# Altium PCB LimeSDR-Micro_M.2_2280_1v0.PcbDoc (part 5 of 7) (continued)
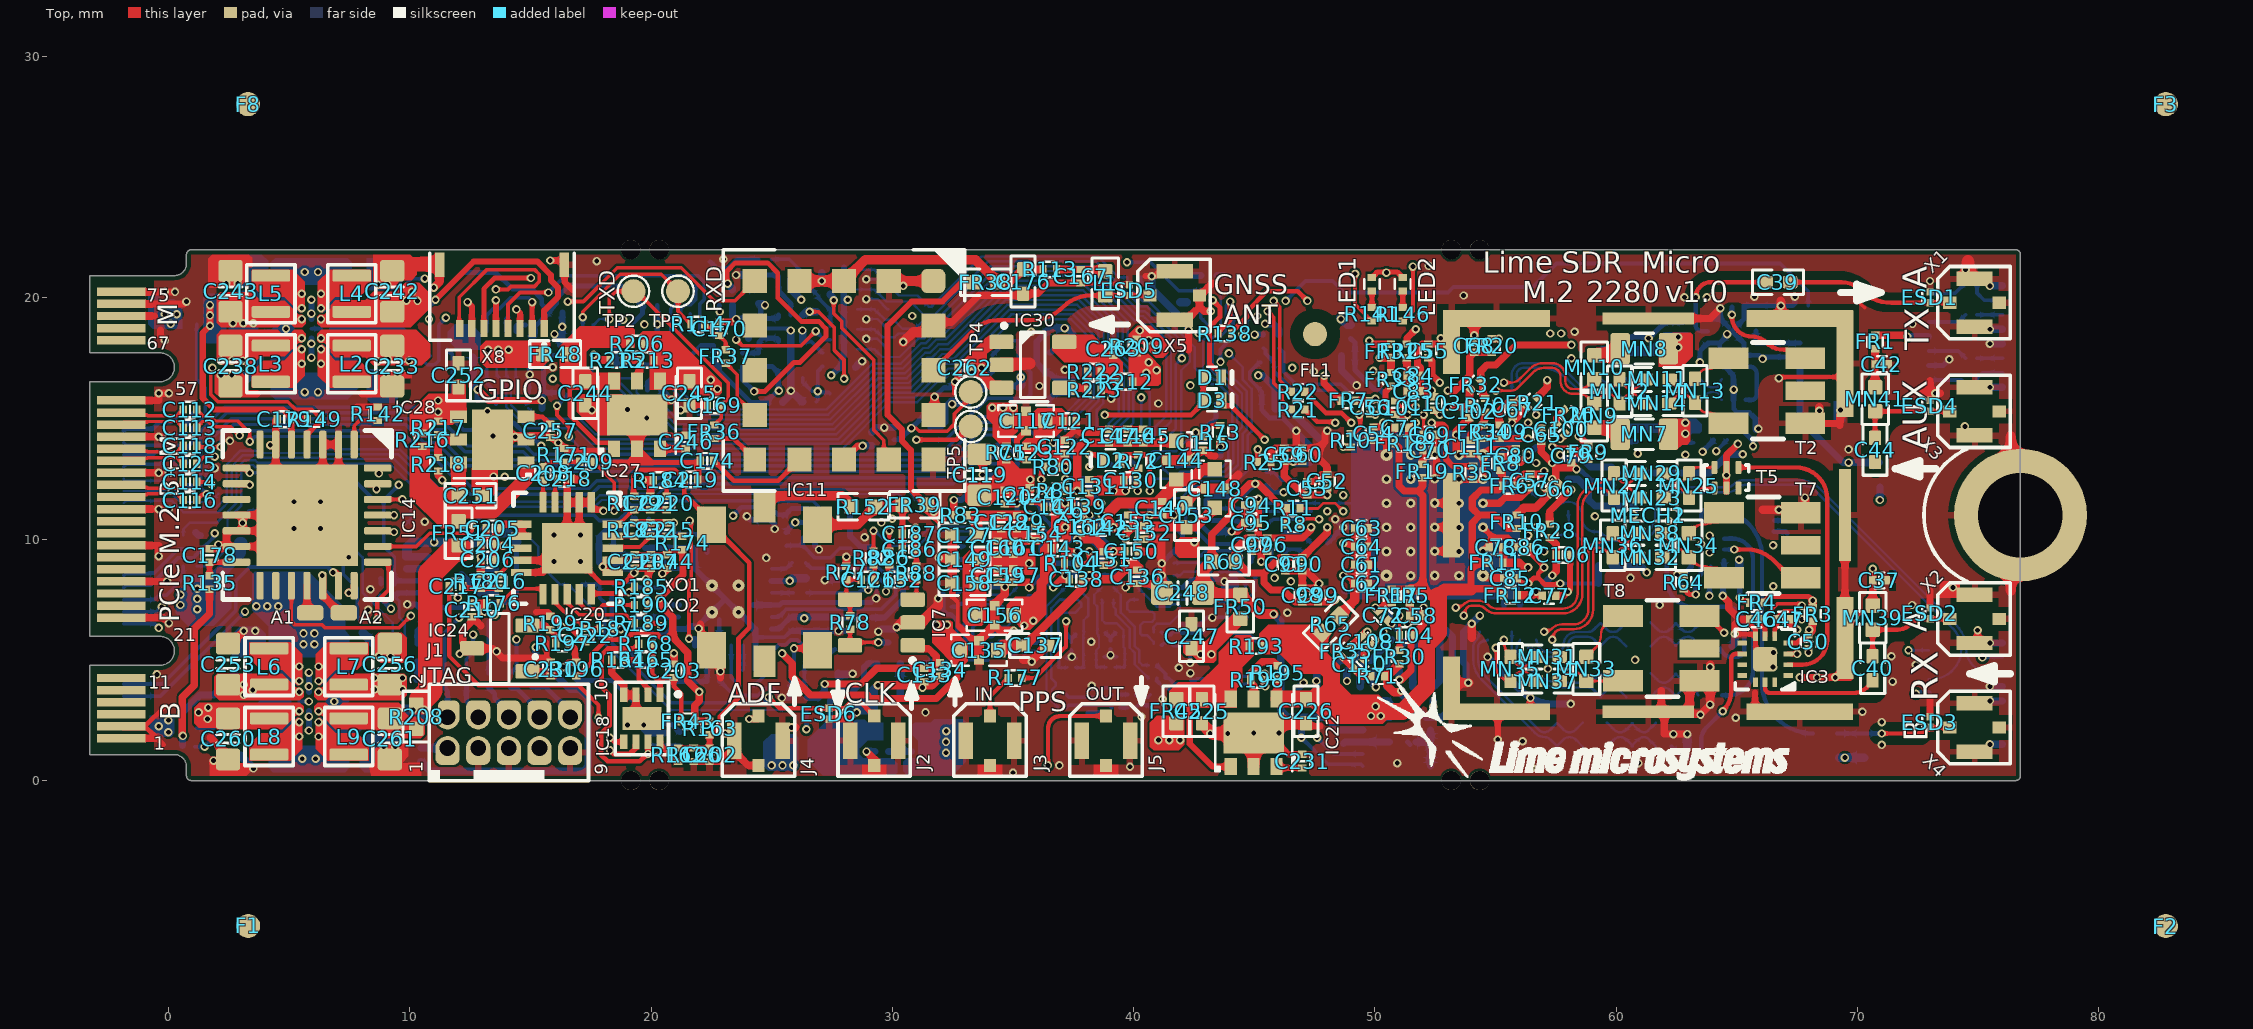
[diagram p0: Top view]
## Nets (pads, with @x,y where several pads share a name; then routed paths per layer and width w, separated by ;. In a path a pad name is that pad's centre, name@x,y a point inside that pad or via, vN(x,y) a via of type N, cw(c..) or ccw(c..) an arc to the next point about the centre after c; other vN are vias at no path point) (continued)
NetC214_2: C214.2 IC19.1 IC19.5 R170.1 R173.1 | length 3.8
  Bottom w0.2: R173.1@23.93,20.325 24.445,20.325 R170.1@24.45,20.33 24.455,20.33 24.505,20.38 C214.2@24.505,20.95 25.239,20.95 25.289,20.9 IC19.1@25.289,20.79 25.289,20.286 25.789,19.786 IC19.5@25.789,19.29
NetC216_1: C216.1 IC20.8 | length 1.7
  Top w0.15: C216.1@13.7,8.53 13.725,8.53 13.8,8.605 13.8,8.63 14,8.83 14,9.325 14.3,9.625 IC20.8@14.625,9.625
NetC216_2: C216.2 C217.1 R180.2 | length 1.5
  Top w0.2: C217.1@12.2,7.97 R180.2@12.925,7.97 ; R180.2@12.975,7.97 C216.2@13.7,7.97
NetC218_2: C218.2 IC20.4 | length 1
  Top w0.15: IC20.4@16.025,11.525 16.025,12.38 16.12,12.475 C218.2@16.12,12.5
NetC220_1: C220.1 R184.1 | length 0.7
  Top w0.15: C220.1@20.65,11.78 20.65,12.445 R184.1@20.655,12.45
NetC220_2: C220.2 C221.2 IC20.20 R179.2 | length 2.5
  Top w0.15: IC20.20@18.425,10.625 18.673,10.625 R179.2@19.284,11.236 ; R179.2@19.3,11.22 C221.2@19.975,11.22 C220.2@20.65,11.22
NetC222_1: C222.1 IC20.12 R187.1 | length 2.7
  Top w0.15: IC20.12@16.025,7.725 16.025,7.375 16.825,6.575 17,6.575 C222.1@17.275,6.3 ; C222.1@17.375,6.3 R187.1@17.89,6.3 R187.1@17.965,6.375
NetC224_2: C224.2 IC21.1 R182.1 R186.1 | length 2.1
  Bottom w0.2: R186.1@23.789,17.72 R182.1@24.464,17.72 24.464,18.159 24.605,18.3 C224.2@24.605,18.325 25.239,18.325 25.289,18.275 IC21.1@25.289,18.19
NetC225_2: C225.2 FR45.2 IC22.1 IC22.6 R193.1 | length 5.1
  Top w0.25: 42.325,3.4 42.325,1.525 43.275,0.575 IC22.1@44.025,0.575
  Top w0.6: C225.2@42.825,3.375 IC22.6@43.975,3.375
NetC231_2: C231.2 IC22.3 | length 1.1
  Top w0.25: IC22.3@45.925,0.525 C231.2@46.995,0.525
NetC235_2: C235.2 FR47.2 IC26.1 IC26.6 R200.1 | length 5
  Bottom w0.25: 27.425,2.375 27.425,3.325 27.825,3.725 28.375,3.725 28.825,4.175 28.825,4.7 28.975,4.85 IC26.1@29.375,4.85
  Bottom w0.6: C235.2@28.175,2.05 IC26.6@29.3,2.05
NetC240_2: C240.2 IC26.3 | length 0.9
  Bottom w0.3: IC26.3@31.275,4.85 C240.2@32.22,4.85
NetC244_2: C244.2 FR48.2 IC27.1 IC27.6 R206.1 | length 5.5
  Top w0.2: 16.632,16.55 16.632,15.143 17.775,14 18.225,14 IC27.1@18.475,13.75
  Top w0.6: 16.8,16.55 C244.2@17.275,16.55 IC27.6@18.425,16.55
NetC246_2: C246.2 IC27.3 | length 0.9
  Top w0.3: IC27.3@20.375,13.75 C246.2@21.32,13.75
NetC251_2: C251.2 FR51.2 IC28.1 IC28.6 R216.1 | length 5
  Top w0.6: C251.2@12.025,11.975 IC28.6@12.025,13.1 ; 12.1,11.1 12.15,11.15 13.461,11.15 14.825,12.514 IC28.1@14.825,13.1
NetC257_2: C257.2 IC28.3 | length 1.1
  Top w0.2: IC28.3@14.825,15.075 15.5,15.075 15.75,14.825 15.75,14.8 15.8,14.75 C257.2@15.825,14.75
NetFR36_2: FR36.2 IC11.9 | length 2.1
  Top w0.2: FR36.2@22.625,14.17 23.43,14.17 23.9,13.7 23.925,13.7 24.3,13.325 IC11.9@24.3,13.3
NetFR37_2: FR37.2 IC11.10 | length 2.6
  Top w0.15: FR37.2@23.1,17.295 23.575,16.82 23.575,15.875 IC11.10@24.3,15.15
NetIC1_AA33: IC1.AA33 R7.2 | length 1.4
  Bottom w0.15: R7.2@46.166,10.3 46.901,10.3 47.354,9.847 IC1.AA33@47.354,9.83
NetIC1_D28: IC1.D28 R23.1 | length 4.8
  Bottom w0.11: IC1.D28@49.019,15.491 49.019,15.995
  Bottom w0.15: R23.1@46.016,17.92 46.041,17.92 46.225,17.736 46.225,16.925 46.725,16.425 48.587,16.425 48.787,16.225 48.79,16.225 49.019,15.995
NetIC1_F18: IC1.F18 R35.1 | length 3.2
  Top w0.25: v1(52.349,14.825) 52.376,14.825 52.443,14.758 52.805,14.758 52.951,14.612 52.951,13.315 53.236,13.03 R35.1@54.066,13.03
NetIC1_F28: IC1.F28 R22.1 | length 2.5
  Top w0.2: R22.1@47.096,16.107 47.977,15.225 48.619,15.225 v1(49.019,14.825)
NetIC1_F30: IC1.F30 R21.1 | length 1.5
  Top w0.2: R21.1@47.096,15.375 47.096,15.35 47.146,15.3 47.171,15.3 47.604,14.867 48.271,14.867 48.313,14.825 v1(48.353,14.825)
NetIC1_P34: IC1.P34 R24.1 | length 1.8
  Bottom w0.15: R24.1@45.491,12.78 45.811,12.78 46.141,12.45 46.732,12.45 IC1.P34@47.021,12.161
NetIC1_R29: IC1.R29 R24.2 | length 3.6
  L4 w0.2: v1(46.216,11.95) 47.516,11.95 47.816,12.25 48.264,12.25 v1(48.686,11.828)
  Bottom w0.2: R24.2@45.491,12.22 45.516,12.22 45.566,12.17 45.566,12.145 45.761,11.95 v1(46.216,11.95)
NetIC1_U31: IC1.U31 R25.2 | length 7.5
  Top w0.15: v1@48.003,11.179 v1(48.02,11.162)
  Top w0.2: R25.2@45.136,13.2 45.136,13.679 45.191,13.734 v1@45.191,13.775
  L4 w0.3: v1(45.141,13.725) 44.025,12.609 44.025,11.725 44.675,11.075 45.616,11.075 45.795,11.254 47.928,11.254 v1(48.02,11.162)
NetIC1_V32: IC1.V32 R8.2 | length 0.9
  Top w0.15: R8.2@46.896,10.625 46.896,10.65 46.971,10.725 46.996,10.725 47.117,10.846 47.499,10.846 47.516,10.829 v1(47.687,10.829) v1@47.67,10.846
NetIC6_E8: IC6.E8 R104.1 | length 0.9
  Top w0.2: R104.1@37.696,9 37.721,8.975 38.016,8.975 38.167,9.126 v1(38.167,9.5)
NetIC6_K4: IC6.K4 R81.1 | length 0.4
  Top w0.2: v1(36.167,12) R81.1@36.561,12
NetIC6_M4: IC6.M4 R80.1 | length 1.1
  Top w0.2: v1(36.175,12.475) 36.175,12.788 R80.1@36.387,13
  Bottom w0.2: IC6.M4@36.167,13 36.167,12.483 v1(36.175,12.475)
NetIC6_M13: IC6.M13 R87.1 | length 2.9
  Bottom w0.1: IC6.M13@40.667,13 41.117,13.45 41.849,13.45 42.199,13.8 42.686,13.8 42.911,13.575 42.936,13.575 43.036,13.475 R87.1@43.036,13.45
NetIC6_N13: IC6.N13 R79.2 | length 2.6
  Bottom w0.1: IC6.N13@40.667,13.5 40.675,13.5 40.825,13.65 41.766,13.65 42.216,14.1 R79.2@43.036,14.1
NetIC6_R12: IC6.R12 R76.2 | length 34.7
  L6 w0.1: v1(15.45,13.875) 15.9,13.425 25.57,13.425 27.97,11.025 28.534,11.025 28.85,11.341 28.85,13.425 29.175,13.75 29.175,14.625 32.15,17.6 35.342,17.6 35.992,16.95 36.375,16.95 36.825,16.5 37.433,16.5 37.608,16.675 39.517,16.675 v1(40.317,15.875)
  Bottom w0.1: IC6.R12@40.167,14.5 40.317,14.65 v1(40.317,15.875)
  Bottom w0.18: R76.2@13.855,14.825 14.316,14.825 14.781,14.36 14.965,14.36 v1@15.417,13.908
NetIC7_5: IC7.5 R78.1 R84.2 R85.1 | length 25.1
  Top w0.15: IC7.5@28.045,5.6 IC7.5@28.245,5.6 cw(c28.37,5.6) IC7.5@28.25,5.635 ; R78.1@28.25,6.27 IC7.5@28.25,5.635 ; v1(29.425,5.725) 28.37,5.725 ccw(c28.37,5.6) IC7.5@28.25,5.635
  L6 w0.1: v1(29.425,5.725) 30.175,5.725 31.35,6.9 33.075,6.9 34.825,8.65 34.825,9.75 35.075,10 35.075,10.868 35.782,11.575 36.35,11.575 36.875,12.1 37.226,12.1 37.451,12.325 37.816,12.325 37.891,12.25 38.5,12.25 38.95,12.7 40.466,12.7 v2(42.166,11)
  Bottom w0.15: v1(29.425,5.725) v1@29.5,5.725 ; v2(42.166,11) 42.166,10.775 43.141,9.8 44.011,9.8 44.211,10 45.325,10 45.72,9.605 R84.2@45.72,9.025
  Bottom w0.25: v1@29.5,5.725 R85.1@29.85,5.725
NetIC15_13: IC15.13 R154.1 | length 0.9
  Bottom w0.15: IC15.13@25,8.775 25.595,8.775 R154.1@25.845,9.025
NetIC15_15: IC15.15 R155.1 | length 0.9
  Bottom w0.15: IC15.15@25,7.775 R155.1@25.895,7.775
NetIC15_24: IC15.24 R151.1 | length 5.5
  Top w0.15: v1(21.575,5.875) 21.575,8.275 21.675,8.375 21.675,10.7 v1(21.6,10.775)
  Bottom w0.25: v1(21.575,5.875) 21.594,5.856 21.825,5.856 IC15.24@21.825,5.6
NetIC17_4: IC17.4 R159.2 R161.1 | length 33.5
  L6 w0.1: v2(9.825,10.6) 9.825,10.2 11.075,8.95 14.15,8.95 14.775,9.575 17.73,9.575 18.68,10.525 20.475,10.525 20.775,10.225 24,10.225 24.15,10.375 24.55,10.375 25.075,10.9 25.775,10.9 v1(25.975,10.7)
  Bottom w0.1: R161.1@1.18,8.875 1.7,8.875 2.45,9.625 2.45,10.825 3.025,11.4 3.025,12.86 3.24,13.075 3.51,13.075 3.61,12.975 6.518,12.975 6.668,13.125 9.196,13.125 10.05,12.271 10.05,10.825 v2(9.825,10.6)
  Bottom w0.2: R159.2@25.6,10.28 25.625,10.28 25.675,10.33 25.675,10.4 v1(25.975,10.7) IC17.4@26.287,10.7
NetIC18_2: IC18.2 R164.2 R165.2 | length 2.2
  Top w0.2: R164.2@18.93,5 R165.2@19.495,5 19.495,4.205 19.875,3.825 IC18.2@19.875,3.55
NetIC18_8: IC18.8 R162.1 | length 1.2
  Top w0.2: IC18.8@20.38,1.595 IC18.8@20.375,1.6 20.375,1.482 21.072,0.785 R162.1@21.12,0.785
NetIC20_11: IC20.11 R176.2 | length 2.2
  Top w0.15: R176.2@13.755,7.35 14.355,7.95 15.525,7.95 IC20.11@15.525,7.725
NetIC20_13: IC20.13 R189.1 | length 3.5
  Top w0.15: IC20.13@16.525,7.725 16.525,7.375 17.025,6.875 18.97,6.875 R189.1@19.32,6.525
NetIC20_14: IC20.14 R190.1 | length 2.8
  Top w0.15: IC20.14@17.025,7.725 17.072,7.678 17.072,7.328 17.275,7.125 17.85,7.125 18,7.275 R190.1@19.32,7.275
NetIC20_19: IC20.19 R183.1 | length 0.9
  Top w0.15: IC20.19@18.425,10.125 19.295,10.125 R183.1@19.3,10.12
NetIC22_5: IC22.5 R195.2 R198.1 | length 2.6
  Top w0.3: IC22.5@44.905,3.445 IC22.5@44.975,3.375 44.975,3.925 44.85,4.05 R198.1@44.85,4.175 44.85,4.451 45.324,4.925 45.799,4.925 45.95,4.774 45.95,4.755 R195.2@45.975,4.755
NetIC24_2: IC24.2 R197.2 R199.1 | length 1.7
  Top w0.25: IC24.2@14.876,6.425 15.646,6.425 R199.1@15.826,6.245 15.851,6.245 15.876,6.22 15.876,6.195 16.04,6.031 16.04,5.699 R197.2@16.051,5.688
NetIC25_A2: IC25.A2 IC25.B2 L3.1
  other v1: 5.525,17.275 5.525,17.875
NetIC25_A4: IC25.A4 IC25.B4 L2.1
  other v1: 6.325,17.275 6.325,17.875
NetIC25_F2: IC25.F2 IC25.G2 L5.1
  other v1: 5.525,19.575 5.525,20.175
NetIC25_F4: IC25.F4 IC25.G4 L4.1
  other v1: 6.325,19.575 6.325,20.175
NetIC26_5: IC26.5 R201.2 R202.1 | length 1.8
  Bottom w0.3: R202.1@29.84,1.2 30.09,1.2 30.315,1.426 ; R201.2@30.79,1.2 30.541,1.2 30.315,1.426 ; 30.315,1.426 IC26.5@30.315,2.04 ; IC26.5@30.315,2.04 IC26.5@30.325,2.05 IC26.5@30.315,2.04
NetIC27_5: IC27.5 R213.2 R215.1 | length 1.6
  Top w0.3: R215.1@18.865,17.425 R213.2@19.565,17.425 19.525,17.385 19.525,16.65 IC27.5@19.425,16.55 ; IC27.5@19.34,16.56 IC27.5@19.35,16.55
NetIC28_5: IC28.5 R217.2 R218.1 | length 1.8
  Top w0.3: R218.1@11.175,13.39 11.175,13.91 11.39,14.125 ; R217.2@11.175,14.34 11.39,14.125 ; IC28.5@12.025,14.125 11.39,14.125
NetIC29_A2: IC29.A2 IC29.B2 L7.1
  other v1: 6.225,4.125 6.225,4.725
NetIC29_A4: IC29.A4 IC29.B4 L6.1
  other v1: 5.425,4.125 5.425,4.725
NetIC29_C5: IC29.C5 IC29.D3 IC29.D4 R219.2 | length 3.7
  L6 w0.15: v2(4.7,3.675) 5.1,3.275 v1(5.825,3.275)
  Bottom w0.15: R219.2@3.325,4.425 4.075,3.675 IC29.C5@5.025,3.675 ; IC29.D4@5.425,3.275 v1(5.825,3.275)
NetIC29_F2: IC29.F2 IC29.G2 L9.1
  other v1: 6.225,1.825 6.225,2.425
NetIC29_F4: IC29.F4 IC29.G4 L8.1
  other v1: 5.425,1.825 5.425,2.425
NetIC30_4: IC30.4 R222.2 R223.1 | length 1.7
  Top w0.3: IC30.4@37.125,16.275 38.02,16.275 38.07,16.225 R223.1@38.095,16.225 ; R223.1@38.095,16.2 R223.1@38.095,16.225 ; R222.2@38.095,16.95 R223.1@38.095,16.225
NetJ1_1: J1.1 pad.2@11.57,1.15 R90.1 | length 1.1
  Bottom w0.3: R90.1@10.48,1.35 J1.1@11.57,1.35
NetJ1_2: J1.2 pad.2@11.57,2.82 pad.2@11.62,2.82 R91.2 | length 1.3
  Bottom w0.2: R91.2@11.45,3.87 11.475,3.87 11.475,3.798 11.57,3.703 J1.2@11.57,2.62
NetJ1_4: J1.4 pad.2@12.84,2.82 R92.2 | length 1.5
  Bottom w0.2: R92.2@12.35,3.87 12.35,3.31 pad.2@12.84,2.82 J1.4@12.84,2.62
NetJ1_6: J1.6 pad.2@14.11,2.82 R93.2 | length 1.6
  Bottom w0.2: R93.2@13.25,3.87 13.525,3.595 13.525,3.405 pad.2@14.11,2.82 J1.6@14.11,2.62
NetJ1_8: J1.8 pad.2@15.38,2.82 R94.2 | length 1.9
  Bottom w0.2: R94.2@14.15,3.87 14.175,3.87 14.225,3.82 14.43,3.82 15.38,2.87 pad.2@15.38,2.82 J1.8@15.38,2.62
NetJ1_10: J1.10 pad.2@16.65,2.82 R95.1 | length 2.3
  Bottom w0.2: R95.1@15.05,3.87 15.63,3.87 16.65,2.85 pad.2@16.65,2.82 J1.10@16.65,2.62
NetLED1_K: LED1.K R141.1 | length 0.7
  Top w0.2: R141.1@49.875,19.605 LED1.K@49.875,20.29
NetLED2_K: LED2.K R146.1 | length 0.7
  Top w0.2: R146.1@51.15,19.605 LED2.K@51.15,20.29
NetMN7_1: MN7.1 MN9.2 | length 1.2
  Top w0.6: MN9.2@59.091,14.625 59.891,14.625 MN7.1@60.166,14.35
NetMN8_1: MN8.1 MN10.2 | length 1.2
  Top w0.6: MN10.2@59.091,17.625 59.891,17.625 MN8.1@60.166,17.9
NetR2_2: R2.2 R3.2 R4.2 | length 0.6
  Bottom w0.15: R2.2@37.231,6.05 37.416,5.865 ; R3.2@37.416,5.74 37.416,5.865 ; R4.2@37.601,6.05 37.416,5.865
NetR16_2: R16.2 R17.2 R18.2 | length 0.7
  Bottom w0.15: R18.2@38.831,6.125 39.041,5.915 ; R17.2@39.041,5.79 39.041,5.915 ; R16.2@39.251,6.125 39.041,5.915
NetR79_1: R79.1 TP1.1 | length 1.1
  Bottom w0.2: R79.1@43.036,14.66 43.416,15.04 TP1.1@43.416,15.6
NetR152_1: R152.1 XO1.6 | length 4.1
  Top w0.4: XO1.6@24.7,11.35 24.7,11.55 24.95,11.8 27.925,11.8 R152.1@28.3,11.425
NetR177_1: R177.1 R178.1 | length 56
  Top w0.15: v1(23.525,18.275) 23.775,18.025 26.225,18.025 v1(26.825,18.625) v1@26.825,18.525
  Top w0.18: R177.1@35.365,4.25 35.9,4.25 37.2,5.55 v1(37.2,6.6)
  L4 w0.1: v1(23.525,18.275) 23.125,17.875 22.475,17.875 21.3,16.7 21.3,15.925 22.163,15.062 25.362,15.062 26.774,16.474 27.175,16.474 27.374,16.275 29.8,16.275 32.75,19.225 42.825,19.225 43.95,18.1 45.575,18.1 v1(46.575,17.1)
  L6 w0.1: v1(37.2,6.6) 37.425,6.825 39.542,6.825 40.542,7.825 41.234,7.825 41.692,8.283 ; 41.692,8.284 43.075,9.667 43.075,12.492 44.275,13.692 44.275,14.333 46.575,16.633 v1(46.575,17.1)
  Bottom w0.15: v1(26.825,18.625) 27.185,18.265 R178.1@27.43,18.265
PCIE_PER0_N: C125.1 X9.P47 | length 2.7
  Top w0.14: X9.P47@-1.95,13.25 -1.845,13.355 -0.873,13.355 -0.848,13.38 0.365,13.38 ; 0.36,13.38 C125.1@0.615,13.125
PCIE_PER0_P: C118.1 X9.P49 | length 2.7
  Top w0.14: X9.P49@-1.95,13.75 -1.845,13.645 -0.873,13.645 -0.848,13.62 0.36,13.62 C118.1@0.615,13.875
PCIE_PERST#: D1.C R74.2 R140.2 R214.1 X9.P50 | length 67.5
  Top w0.2: v1(43.275,19.9) 43.28,19.9 43.575,19.605 43.575,19.213 43.145,18.783 43.145,17.275 43.625,16.795 D1.C@43.625,16.7
  L3 w0.1: v1(11.5,19.175) 16.55,19.175 16.85,18.875 17.565,18.875 18.165,19.475 21.217,19.475 22.217,20.475 22.59,20.475 23.415,21.3 29.258,21.3 29.875,20.683 29.875,19.74 30.69,18.925 30.992,18.925 32.367,20.3 40.875,20.3 41.275,19.9 v1(43.275,19.9)
  L6 w0.1: v2(0.7,13.175) 1.264,12.611 2.239,12.611 3.125,11.725 3.6,11.725 7.575,15.7 7.575,17.617 8.558,18.6 10.925,18.6 11.017,18.6 11.325,18.908 11.325,19 v1(11.5,19.175)
  Bottom w0.15: X9.P50@-1.85,14 -1.75,13.9 -0.737,13.9 0.445,13.9 0.55,13.795 0.55,13.77 0.625,13.695 R140.2@0.65,13.695 R140.2@0.675,13.695 ; R140.2@0.68,13.695 R140.2@0.675,13.695 ; R74.2@1.18,18.9 1.18,16.62 1.525,16.275 1.525,15.14 1,14.615 1,14.025 0.75,13.775 0.75,13.77 R140.2@0.675,13.695 ; R214.1@9.455,18.05 9.903,18.05 10.727,17.225 11.025,17.225 11.2,17.4 11.2,18.875 v1(11.5,19.175)
  Bottom w0.25: R140.2@0.65,13.695 0.65,13.225 v2(0.7,13.175)
PCIE_PET0_N: C116.1 X9.P41 | length 2.7
  Top w0.14: X9.P41@-1.95,11.75 -1.845,11.855 -0.873,11.855 -0.848,11.88 0.365,11.88 ; 0.36,11.88 C116.1@0.615,11.625
PCIE_PET0_P: C114.1 X9.P43 | length 2.7
  Top w0.14: X9.P43@-1.95,12.25 -1.845,12.145 -0.873,12.145 -0.848,12.12 0.36,12.12 C114.1@0.615,12.375
PCIE_REF_CLK_N: C113.1 X9.P53 | length 2.7
  Top w0.14: X9.P53@-1.95,14.75 -1.845,14.855 -0.873,14.855 -0.848,14.88 0.365,14.88 ; 0.36,14.88 C113.1@0.615,14.625
PCIE_REF_CLK_P: C112.1 X9.P55 | length 2.7
  Top w0.14: X9.P55@-1.95,15.25 -1.845,15.145 -0.873,15.145 -0.848,15.12 0.36,15.12 C112.1@0.615,15.375
PCIE_W_DISABLE1#: IC14.4 R149.2 X9.P8 | length 25
  Top w0.15: v1@1.75,17.075 1.75,16.003 2.053,15.7 4.95,15.7 5.275,15.375 5.937,15.375 6.237,15.075 6.25,15.075 6.325,15 R149.2@6.325,14.975
  Top w0.2: IC14.4@5.75,13.925 5.75,14.35 R149.2@6.35,14.95
  L4 w0.1: v1(1.825,17.1) 1.45,16.725 1.45,12.9 1.725,12.625 2,12.625 2.5,12.125 2.5,7.675 v1(3.175,7)
  Bottom w0.15: X9.P8@-1.85,3.5 -0.325,3.5 v1(3.175,7)
PCIE_W_DISABLE2#: R76.1 R145.2 X9.P26 | length 23.6
  L6 w0.1: v1(1.925,10.25) 3.15,10.25 8.325,15.425 8.325,17.485 8.765,17.925 11.5,17.925 v2(11.55,17.875)
  Bottom w0.15: X9.P26@-1.85,8 -1.756,8.094 -0.733,8.094 -0.678,8.15 -0.575,8.252 0.398,9.225 1.025,9.225 1.925,10.125 v1(1.925,10.25) ; v2(11.55,17.875) 11.77,17.655 11.77,14.985 12.23,14.525 12.575,14.525 12.875,14.825 R76.1@13.295,14.825
R1_N: C125.2 IC6.R2 | length 36.8
  Top w0.14: C125.2@1.175,13.125 1.475,13.425 v1(1.925,13.425)
  Bottom w0.14: v1(1.925,13.425) 1.83,13.52 1.83,14.215 2.61,14.995 9.944,14.995 10.689,14.25 11.206,14.25 12.156,13.3 14.5,13.3 14.51,13.29 14.524,13.29 14.769,13.045 32.209,13.045 33.724,14.56 35.107,14.56 IC6.R2@35.167,14.5
R1_P: C118.2 IC6.P2 | length 36.2
  Top w0.14: C118.2@1.175,13.875 1.225,13.825 v1(2.175,13.825)
  Bottom w0.14: v1(2.175,13.825) 2.175,14.221 2.709,14.755 9.845,14.755 10.59,14.01 11.107,14.01 12.067,13.05 14.425,13.05 14.67,12.805 32.309,12.805 33.824,14.32 34.847,14.32 IC6.P2@35.167,14
RX1_H: IC3.2 T5.1 | length 12.5
  Top w0.18: T5.1@65.066,12.975 67.441,12.975 cw(c67.441,11.675) 68.741,11.675 68.741,5.818 cw(c67.722,5.818) 67.722,4.8 IC3.2@67.118,4.8
RX1_H_A_N: IC1.AJ15 MN27.1 MN29.2 | length 12.8
  Top w0.1: v1(53.348,7.166) cw(c53.43,7.084) 53.43,7.2 ccw(c53.43,7.546) 53.675,7.301 cw(c54.034,6.943) 54.034,7.45 54.265,7.45 cw(c54.265,6.826) 54.706,7.267 ; 54.707,7.266 ccw(c55.049,7.608) 55.049,7.125 57.791,7.125 ccw(c57.791,7.731) 58.397,7.731 58.397,11.43 cw(c59.144,11.43) 58.616,11.958 58.796,12.138 ; 58.852,12.194 58.796,12.138 ; 59.25,12.325 ccw(c59.25,11.681) 58.796,12.138 ; 59.251,12.325 ccw(c59.251,12.96) 59.7,12.511 MN27.1@59.889,12.7 ; MN27.1@59.914,12.725 MN27.1@59.889,12.7 ; MN29.2@60.964,12.725 60.67,12.432 cw(c60.413,12.69) 60.414,12.325 cw(c60.415,12.69) 60.157,12.432 MN27.1@59.889,12.7
RX1_H_A_P: IC1.AK14 MN23.2 MN27.2 | length 12.6
  Top w0.1: v1(53.681,6.833) ccw(c53.599,6.915) 53.715,6.915 53.715,6.923 cw(c54.042,6.923) 53.811,7.154 cw(c54.042,6.923) 54.042,7.25 54.264,7.25 cw(c54.264,6.823) 54.566,7.124 ccw(c55.048,7.606) 55.048,6.925 57.791,6.925 ccw(c57.791,7.731) 58.597,7.731 58.597,11.347 cw(c59.344,11.347) 58.816,11.875 58.935,11.994 cw(c59.251,11.678) 59.251,12.125 cw(c59.251,11.49) 59.7,11.939 MN27.2@59.889,11.75 ; MN27.2@59.914,11.725 MN27.2@59.889,11.75 ; MN23.2@60.964,11.725 60.67,12.018 ccw(c60.413,11.76) 60.414,12.125 ccw(c60.415,11.76) 60.157,12.018 MN27.2@59.889,11.75
RX1_H_B_N: MN25.1 MN29.1 T5.3 | length 2.6
  Top w0.1: MN29.1@61.964,12.725 62.257,12.432 ccw(c62.515,12.69) 62.515,12.325 ; 62.513,12.325 ccw(c62.513,12.69) 62.77,12.432 MN25.1@63.039,12.7 ; MN25.1@63.014,12.725 cw(c63.264,12.725) 63.264,12.975 T5.3@64.066,12.975
RX1_H_B_P: MN23.1 MN25.2 T5.4 | length 2.5
  Top w0.1: MN23.1@61.964,11.725 62.257,12.018 cw(c62.515,11.76) 62.514,12.125 cw(c62.513,11.76) 62.77,12.018 MN25.2@63.017,11.772 ; MN25.2@63.014,11.725 cw(c63.414,11.725) MN25.2@63.017,11.772 ; MN25.2@63.039,11.75 MN25.2@63.017,11.772 ; MN25.2@63.142,11.772 cw(c63.539,11.725) 63.539,12.125 T5.4@64.066,12.125
RX1_L: IC3.9 T3.2 | length 6.3
  Top w0.18: v1(64.416,2.875) ccw(c63.571,3.72) 64.766,3.72 64.766,5.05 cw(c64.966,5.05) 64.966,5.25 IC3.9@65.213,5.25
  Bottom w0.18: T3.2@62.291,1.41 62.627,1.074 ccw(c62.866,1.313) 62.866,0.975 63.191,0.975 ccw(c63.191,1.3) 63.516,1.3 63.516,1.662 cw(c64.27,1.662) 63.737,2.196 v1(64.416,2.875)
RX1_L_A_N: IC1.AM12 MN19.1 MN21.2 | length 7.7
  Bottom w0.1: IC1.AM12@54.313,6.085 cw(c53.967,6.085) 54.212,5.84 ccw(c54.552,5.499) 54.071,5.499 54.071,5.018 ccw(c55.232,5.018) 54.411,4.197 ; IC1.AM12@54.313,6.085 cw(c54.429,6.085) IC1.AM12@54.347,6.167 ; 54.437,4.171 56.517,2.091 56.658,1.95 ccw(c57.011,2.302) 57.011,1.803 57.012,1.803 cw(c57.012,1.439) 57.27,1.697 MN19.1@57.538,1.428 ; MN19.1@57.563,1.403 MN19.1@57.538,1.428 ; MN21.2@58.613,1.403 58.32,1.697 ccw(c58.062,1.439) 58.063,1.803 ccw(c58.064,1.439) 57.807,1.697 MN19.1@57.538,1.428
RX1_L_A_P: IC1.AN11 MN16.2 MN19.2 | length 7.3
  Bottom w0.1: IC1.AN11@54.68,5.834 cw(c54.598,5.916) 54.598,5.8 54.588,5.8 ccw(c54.588,5.477) 54.36,5.706 ccw(c54.576,5.49) 54.271,5.49 54.271,5.055 ccw(c55.32,5.055) 54.578,4.313 54.637,4.254 56.717,2.174 56.799,2.092 ccw(c57.012,2.305) 57.012,2.003 ccw(c57.012,2.368) 57.27,2.11 57.538,2.378 57.807,2.11 ccw(c58.064,2.368) 58.063,2.004 ccw(c58.062,2.368) 58.32,2.11 MN16.2@58.613,2.403
RX1_L_B_N: MN17.1 MN21.1 T3.3 | length 2.7
  Bottom w0.1: MN21.1@59.613,1.403 59.907,1.697 cw(c60.164,1.439) 60.164,1.803 ; 60.162,1.803 cw(c60.162,1.439) 60.42,1.697 MN17.1@60.688,1.428 ; MN17.1@60.638,1.429 60.907,1.697 cw(c61.164,1.439) 61.164,1.803 cw(c61.164,1.586) 61.318,1.74 T3.3@61.641,1.417
RX1_L_B_P: MN16.1 MN17.2 T3.4 | length 2.7
  Bottom w0.1: MN16.1@59.613,2.403 59.907,2.11 ccw(c60.164,2.368) 60.163,2.004 ccw(c60.162,2.368) 60.42,2.11 MN17.2@60.688,2.378 ; MN17.2@60.638,2.378 60.663,2.354 60.907,2.11 ccw(c61.164,2.368) 61.164,2.004 ccw(c61.164,2.221) 61.318,2.067 T3.4@61.641,2.39
RX1_W: IC3.3 T8.1 | length 5
  Top w0.18: T8.1@63.456,6.82 T8.1@63.721,6.82 ; T8.1@63.746,6.845 v1(64.466,6.125) ; IC3.3@67.118,5.25 v1(67.491,5.25)
  L6 w0.1: v1@64.441,6.1 ccw(c64.501,6.1) 64.458,6.057 64.666,5.85 ccw(c65.028,6.212) 65.028,5.7 66.454,5.7 cw(c66.454,5.25) 66.773,5.568 66.808,5.533 ccw(c67.491,6.216) v1(67.491,5.25)
RX1_W_A_N: IC1.AP10 MN35.1 MN37.2 | length 3
  Top w0.1: v1(55.013,5.501) 55.013,4.727 ccw(c55.591,4.727) 55.591,4.15 55.859,4.418 cw(c56.117,4.16) 56.117,4.525 ; 56.115,4.525 cw(c56.115,4.16) 56.372,4.418 MN37.2@56.666,4.125
RX1_W_A_P: IC1.AN9 MN31.2 MN35.2 | length 2.4
  Top w0.1: v1(55.346,5.834) 55.346,5.776 ccw(c56.266,5.776) MN35.2@55.616,5.125 MN35.2@55.411,5.125 ; MN35.2@55.591,5.1 55.859,4.832 ccw(c56.117,5.09) 56.117,4.725 ; 56.115,4.725 ccw(c56.115,5.09) 56.372,4.832 MN31.2@56.666,5.125
RX1_W_B_N: MN33.1 MN37.1 T8.4 | length 2.9
  Top w0.1: MN37.1@57.666,4.125 57.959,4.418 cw(c58.217,4.16) 58.217,4.525 ; 58.215,4.525 cw(c58.215,4.16) 58.472,4.418 MN33.1@58.741,4.15 ; MN33.1@58.766,4.125 T8.4@60.276,4.125
RX1_W_B_P: MN31.1 MN33.2 T8.6 | length 3.8
  Top w0.1: MN31.1@57.666,5.125 57.959,4.832 ccw(c58.217,5.09) 58.217,4.725 ; 58.215,4.725 ccw(c58.215,5.09) 58.472,4.832 MN33.2@58.741,5.1 ; MN33.2@58.766,5.125 59.136,5.495 ccw(c58.581,6.05) 59.366,6.05 ; 59.366,6.084 cw(c59.827,6.084) 59.501,6.41 59.501,6.42 59.643,6.562 59.653,6.562 cw(c60.276,5.939) T8.6@60.276,6.82
RX2_H: IC4.2 T6.1 | length 8.2
  Bottom w0.18: T6.1@64.399,3.53 64.659,3.53 ccw(c64.659,4.536) 65.666,4.536 65.666,9.179 ccw(c64.819,9.179) 64.819,10.025 IC4.2@64.468,10.025
RX2_H_A_N: IC1.AM8 MN28.1 MN30.2 | length 6.7
  Bottom w0.1: IC1.AM8@55.679,6.167 55.671,6.159 55.671,5.493 ccw(c56.591,5.493) 55.941,4.842 56.377,4.406 ccw(c57.709,5.739) 57.709,3.855 58.485,3.855 58.817,3.855 cw(c58.817,3.49) 59.075,3.748 MN28.1@59.343,3.48 ; MN28.1@59.368,3.455 MN28.1@59.343,3.48 ; MN30.2@60.418,3.455 60.125,3.748 ccw(c59.867,3.49) 59.868,3.854 ccw(c59.869,3.49) 59.612,3.748 MN28.1@59.343,3.48
RX2_H_A_P: IC1.AN7 MN24.2 MN28.2 | length 6
  Bottom w0.1: IC1.AN7@56.012,5.834 cw(c55.909,5.834) 55.982,5.761 ccw(c56.25,5.494) 55.871,5.494 ccw(c56.593,5.494) 56.083,4.983 56.516,4.55 ccw(c57.712,5.746) 57.712,4.055 58.485,4.055 ; 58.488,4.055 58.817,4.055 ccw(c58.817,4.419) 59.075,4.161 59.343,4.43 59.612,4.161 ccw(c59.869,4.419) 59.868,4.055 ccw(c59.867,4.419) 60.125,4.161 MN24.2@60.418,4.455
RX2_H_B_N: MN26.1 MN30.1 T6.3 | length 2.7
  Bottom w0.1: MN30.1@61.418,3.455 61.712,3.748 cw(c61.969,3.49) 61.969,3.854 ; 61.967,3.854 cw(c61.967,3.49) 62.225,3.748 MN26.1@62.468,3.505 ; MN26.1@62.443,3.48 MN26.1@62.468,3.505 ; MN26.1@62.493,3.48 MN26.1@62.468,3.505 ; T6.3@63.399,3.53 cw(c63.519,3.65) 63.349,3.65 ccw(c63.144,3.65) 63.144,3.855 62.969,3.855 ccw(c62.969,3.49) 62.712,3.748 MN26.1@62.468,3.505
RX2_H_B_P: MN24.1 MN26.2 T6.4 | length 2.7
  Bottom w0.1: MN24.1@61.418,4.455 61.712,4.161 ccw(c61.969,4.419) 61.969,4.055 ; 61.967,4.055 ccw(c61.967,4.419) 62.225,4.161 MN26.2@62.493,4.43 ; MN26.2@62.443,4.43 62.712,4.161 ccw(c62.969,4.419) 62.969,4.055 63.144,4.055 ccw(c63.144,4.259) 63.349,4.259 cw(c63.519,4.259) T6.4@63.399,4.38
RX2_L: IC4.9 T4.2 | length 8.4
  Bottom w0.18: IC4.9@62.563,9.575 62.416,9.575 ccw(c62.416,9.25) 62.194,9.487 ccw(c62.416,9.25) 62.091,9.25 62.091,8.325 ccw(c63.216,8.325) 63.216,7.2 64.545,7.2 cw(c64.545,6.445) 65.3,6.445 65.3,5.43 cw(c65,5.43) 65,5.13 64.725,5.13 cw(c64.725,5.467) 64.486,5.229 T4.2@64.15,5.565
RX2_L_A_N: IC1.AP6 MN20.1 MN22.2 | length 5.1
  Bottom w0.1: IC1.AP6@56.345,5.501 ccw(c56.427,5.583) 56.427,5.467 cw(c56.427,5.121) 56.672,5.366 56.752,5.286 ccw(c57.14,5.674) 57.14,5.125 57.516,5.125 ccw(c57.516,5.625) 58.016,5.625 cw(c58.345,5.625) 58.345,5.954 58.817,5.954 cw(c58.817,5.59) 59.075,5.848 MN20.1@59.343,5.58 ; MN20.1@59.368,5.555 MN20.1@59.343,5.58 ; MN22.2@60.418,5.555 60.125,5.848 ccw(c59.867,5.59) 59.868,5.954 ccw(c59.869,5.59) 59.612,5.848 MN20.1@59.343,5.58
RX2_L_A_P: IC1.AN5 MN15.2 MN20.2 | length 4.9
  Bottom w0.1: IC1.AN5@56.678,5.834 cw(c56.596,5.752) 56.712,5.752 ccw(c57.059,5.752) 56.814,5.507 56.893,5.427 ccw(c57.141,5.675) 57.141,5.325 57.516,5.325 ccw(c57.516,5.625) 57.816,5.625 cw(c58.345,5.625) 58.345,6.155 58.817,6.155 ccw(c58.817,6.519) 59.075,6.261 59.343,6.53 59.612,6.261 ccw(c59.869,6.519) 59.868,6.155 ccw(c59.867,6.519) 60.125,6.261 MN15.2@60.418,6.555
RX2_L_B_N: MN18.1 MN22.1 T4.3 | length 2.7
  Bottom w0.1: MN22.1@61.418,5.555 61.712,5.848 cw(c61.969,5.59) 61.968,5.954 cw(c61.967,5.59) 62.225,5.848 MN18.1@62.468,5.605 ; MN18.1@62.443,5.58 MN18.1@62.468,5.605 ; MN18.1@62.493,5.58 MN18.1@62.468,5.605 ; T4.3@63.5,5.565 63.21,5.855 ccw(c62.969,5.614) 62.969,5.955 ccw(c62.969,5.59) 62.712,5.848 MN18.1@62.468,5.605
RX2_L_B_P: MN15.1 MN18.2 T4.4 | length 2.7
  Bottom w0.1: MN15.1@61.418,6.555 61.712,6.261 ccw(c61.969,6.519) 61.968,6.155 ccw(c61.967,6.519) 62.225,6.261 MN18.2@62.468,6.504 ; MN18.2@62.443,6.53 MN18.2@62.468,6.504 ; MN18.2@62.493,6.53 MN18.2@62.468,6.504 ; T4.4@63.5,6.545 63.21,6.254 cw(c62.969,6.495) 62.969,6.155 cw(c62.969,6.519) 62.712,6.261 MN18.2@62.468,6.504
RX2_W: IC4.3 T7.3 | length 3.5
  Top w0.18: v1(64.891,9.575) 65.429,9.575 cw(c65.429,8.039) 66.516,9.125 66.969,8.672 ccw(c67.613,9.315) T7.3@67.613,8.405
  Bottom w0.18: IC4.3@64.468,9.575 v1(64.891,9.575)
RX2_W_A_N: IC1.AM4 MN36.1 MN38.2 | length 7.4
  Top w0.1: v1(57.011,6.167) cw(c57.093,6.085) 57.093,6.201 ccw(c57.093,6.547) 57.338,6.302 ; 57.339,6.303 cw(c57.754,5.888) 57.754,6.475 58.235,6.475 ccw(c58.235,7.081) 58.841,7.081 58.841,9.5 cw(c59.191,9.5) 59.191,9.85 ccw(c59.191,10.485) 59.64,10.036 MN36.1@59.829,10.225 ; MN36.1@59.854,10.25 MN36.1@59.829,10.225 ; MN38.2@60.904,10.25 60.61,9.957 cw(c60.353,10.215) 60.354,9.85 cw(c60.355,10.215) 60.097,9.957 MN36.1@59.829,10.225
RX2_W_A_P: IC1.AN3 MN32.2 MN36.2 | length 7.2
  Top w0.1: v1(57.344,5.834) ccw(c57.262,5.916) 57.378,5.916 cw(c57.725,5.916) 57.48,6.161 cw(c57.755,5.886) 57.755,6.275 58.235,6.275 ccw(c58.235,7.081) 59.041,7.081 59.041,9.5 cw(c59.191,9.5) 59.191,9.65 cw(c59.191,9.015) 59.64,9.464 MN36.2@59.829,9.275 ; MN36.2@59.854,9.25 MN36.2@59.829,9.275 ; MN32.2@60.904,9.25 60.61,9.543 ccw(c60.353,9.285) 60.354,9.65 ccw(c60.355,9.285) 60.097,9.543 MN36.2@59.829,9.275
RX2_W_B_N: MN34.1 MN38.1 T7.6 | length 3.1
  Top w0.1: MN38.1@61.904,10.25 62.197,9.957 ccw(c62.455,10.215) 62.455,9.85 ; 62.453,9.85 ccw(c62.453,10.215) 62.71,9.957 MN34.1@62.979,10.225 ; MN34.1@63.004,10.25 63.221,10.468 cw(c63.541,10.148) 63.541,10.6 ccw(c63.541,11.633) 64.271,10.903 T7.6@64.464,11.095
RX2_W_B_P: MN32.1 MN34.2 T7.4 | length 2.8
  Top w0.1: MN32.1@61.904,9.25 62.197,9.543 cw(c62.455,9.285) 62.455,9.65 ; 62.453,9.65 cw(c62.453,9.285) 62.71,9.543 MN34.2@62.979,9.275 ; MN34.2@63.221,9.032 ccw(c63.541,9.352) 63.541,8.9 cw(c63.541,7.867) 64.271,8.597 T7.4@64.464,8.405
RX_AUX: C44.1 ESD4.1 MN41.1 X3.1 | length 4.2
  Top w0.18: C44.1@70.725,14.2 MN41.1@70.725,15.3 ESD4.1@73,15.3 X3.1@73.825,15.3